# Allegro board LED_FIN.brd (continued)
## Placement (name value [footprint] x y rotation side) (continued)
D3566  0603_LED  [0603_SINGLE]  267.25 384 0 top
D3567  0603_LED  [0603_SINGLE]  269.25 384 0 top
D3568  0603_LED  [0603_SINGLE]  271.25 384 0 top
D3569  0603_LED  [0603_SINGLE]  273.25 384 0 top
D3570  0603_LED  [0603_SINGLE]  275.25 384 0 top
D3571  0603_LED  [0603_SINGLE]  217.25 382 0 top
D3572  0603_LED  [0603_SINGLE]  219.25 382 0 top
D3573  0603_LED  [0603_SINGLE]  221.25 382 0 top
D3574  0603_LED  [0603_SINGLE]  223.25 382 0 top
D3575  0603_LED  [0603_SINGLE]  225.25 382 0 top
D3576  0603_LED  [0603_SINGLE]  227.25 382 0 top
D3577  0603_LED  [0603_SINGLE]  229.25 382 0 top
D3578  0603_LED  [0603_SINGLE]  231.25 382 0 top
D3579  0603_LED  [0603_SINGLE]  233.25 382 0 top
D3580  0603_LED  [0603_SINGLE]  235.25 382 0 top
D3581  0603_LED  [0603_SINGLE]  237.25 382 0 top
D3582  0603_LED  [0603_SINGLE]  239.25 382 0 top
D3583  0603_LED  [0603_SINGLE]  241.25 382 0 top
D3584  0603_LED  [0603_SINGLE]  243.25 382 0 top
D3585  0603_LED  [0603_SINGLE]  245.25 382 0 top
D3586  0603_LED  [0603_SINGLE]  247.25 382 0 top
D3587  0603_LED  [0603_SINGLE]  249.25 382 0 top
D3588  0603_LED  [0603_SINGLE]  251.25 382 0 top
D3589  0603_LED  [0603_SINGLE]  253.25 382 0 top
D3590  0603_LED  [0603_SINGLE]  255.25 382 0 top
D3591  0603_LED  [0603_SINGLE]  257.25 382 0 top
D3592  0603_LED  [0603_SINGLE]  259.25 382 0 top
D3593  0603_LED  [0603_SINGLE]  261.25 382 0 top
D3594  0603_LED  [0603_SINGLE]  263.25 382 0 top
D3595  0603_LED  [0603_SINGLE]  265.25 382 0 top
D3596  0603_LED  [0603_SINGLE]  267.25 382 0 top
D3597  0603_LED  [0603_SINGLE]  269.25 382 0 top
D3598  0603_LED  [0603_SINGLE]  271.25 382 0 top
D3599  0603_LED  [0603_SINGLE]  273.25 382 0 top
D3600  0603_LED  [0603_SINGLE]  275.25 382 0 top
D3601  0603_LED  [0603_SINGLE]  217.25 380 0 top
D3602  0603_LED  [0603_SINGLE]  219.25 380 0 top
D3603  0603_LED  [0603_SINGLE]  221.25 380 0 top
D3604  0603_LED  [0603_SINGLE]  223.25 380 0 top
D3605  0603_LED  [0603_SINGLE]  225.25 380 0 top
D3606  0603_LED  [0603_SINGLE]  227.25 380 0 top
D3607  0603_LED  [0603_SINGLE]  229.25 380 0 top
D3608  0603_LED  [0603_SINGLE]  231.25 380 0 top
D3609  0603_LED  [0603_SINGLE]  233.25 380 0 top
D3610  0603_LED  [0603_SINGLE]  235.25 380 0 top
D3611  0603_LED  [0603_SINGLE]  237.25 380 0 top
D3612  0603_LED  [0603_SINGLE]  239.25 380 0 top
D3613  0603_LED  [0603_SINGLE]  241.25 380 0 top
D3614  0603_LED  [0603_SINGLE]  243.25 380 0 top
D3615  0603_LED  [0603_SINGLE]  245.25 380 0 top
D3616  0603_LED  [0603_SINGLE]  247.25 380 0 top
D3617  0603_LED  [0603_SINGLE]  249.25 380 0 top
D3618  0603_LED  [0603_SINGLE]  251.25 380 0 top
D3619  0603_LED  [0603_SINGLE]  253.25 380 0 top
D3620  0603_LED  [0603_SINGLE]  255.25 380 0 top
D3621  0603_LED  [0603_SINGLE]  257.25 380 0 top
D3622  0603_LED  [0603_SINGLE]  259.25 380 0 top
D3623  0603_LED  [0603_SINGLE]  261.25 380 0 top
D3624  0603_LED  [0603_SINGLE]  263.25 380 0 top
D3625  0603_LED  [0603_SINGLE]  265.25 380 0 top
D3626  0603_LED  [0603_SINGLE]  267.25 380 0 top
D3627  0603_LED  [0603_SINGLE]  269.25 380 0 top
D3628  0603_LED  [0603_SINGLE]  271.25 380 0 top
D3629  0603_LED  [0603_SINGLE]  273.25 380 0 top
D3630  0603_LED  [0603_SINGLE]  275.25 380 0 top
D3631  0603_LED  [0603_SINGLE]  217.25 378 0 top
D3632  0603_LED  [0603_SINGLE]  219.25 378 0 top
D3633  0603_LED  [0603_SINGLE]  221.25 378 0 top
D3634  0603_LED  [0603_SINGLE]  223.25 378 0 top
D3635  0603_LED  [0603_SINGLE]  225.25 378 0 top
D3636  0603_LED  [0603_SINGLE]  227.25 378 0 top
D3637  0603_LED  [0603_SINGLE]  229.25 378 0 top
D3638  0603_LED  [0603_SINGLE]  231.25 378 0 top
D3639  0603_LED  [0603_SINGLE]  233.25 378 0 top
D3640  0603_LED  [0603_SINGLE]  235.25 378 0 top
D3641  0603_LED  [0603_SINGLE]  237.25 378 0 top
D3642  0603_LED  [0603_SINGLE]  239.25 378 0 top
D3643  0603_LED  [0603_SINGLE]  241.25 378 0 top
D3644  0603_LED  [0603_SINGLE]  243.25 378 0 top
D3645  0603_LED  [0603_SINGLE]  245.25 378 0 top
D3646  0603_LED  [0603_SINGLE]  247.25 378 0 top
D3647  0603_LED  [0603_SINGLE]  249.25 378 0 top
D3648  0603_LED  [0603_SINGLE]  251.25 378 0 top
D3649  0603_LED  [0603_SINGLE]  253.25 378 0 top
D3650  0603_LED  [0603_SINGLE]  255.25 378 0 top
D3651  0603_LED  [0603_SINGLE]  257.25 378 0 top
D3652  0603_LED  [0603_SINGLE]  259.25 378 0 top
D3653  0603_LED  [0603_SINGLE]  261.25 378 0 top
D3654  0603_LED  [0603_SINGLE]  263.25 378 0 top
D3655  0603_LED  [0603_SINGLE]  265.25 378 0 top
D3656  0603_LED  [0603_SINGLE]  267.25 378 0 top
D3657  0603_LED  [0603_SINGLE]  269.25 378 0 top
D3658  0603_LED  [0603_SINGLE]  271.25 378 0 top
D3659  0603_LED  [0603_SINGLE]  273.25 378 0 top
D3660  0603_LED  [0603_SINGLE]  275.25 378 0 top
D3661  0603_LED  [0603_SINGLE]  217.25 376 0 top
D3662  0603_LED  [0603_SINGLE]  219.25 376 0 top
D3663  0603_LED  [0603_SINGLE]  221.25 376 0 top
D3664  0603_LED  [0603_SINGLE]  223.25 376 0 top
D3665  0603_LED  [0603_SINGLE]  225.25 376 0 top
D3666  0603_LED  [0603_SINGLE]  227.25 376 0 top
D3667  0603_LED  [0603_SINGLE]  229.25 376 0 top
D3668  0603_LED  [0603_SINGLE]  231.25 376 0 top
D3669  0603_LED  [0603_SINGLE]  233.25 376 0 top
D3670  0603_LED  [0603_SINGLE]  235.25 376 0 top
D3671  0603_LED  [0603_SINGLE]  237.25 376 0 top
D3672  0603_LED  [0603_SINGLE]  239.25 376 0 top
D3673  0603_LED  [0603_SINGLE]  241.25 376 0 top
D3674  0603_LED  [0603_SINGLE]  243.25 376 0 top
D3675  0603_LED  [0603_SINGLE]  245.25 376 0 top
D3676  0603_LED  [0603_SINGLE]  247.25 376 0 top
D3677  0603_LED  [0603_SINGLE]  249.25 376 0 top
D3678  0603_LED  [0603_SINGLE]  251.25 376 0 top
D3679  0603_LED  [0603_SINGLE]  253.25 376 0 top
D3680  0603_LED  [0603_SINGLE]  255.25 376 0 top
D3681  0603_LED  [0603_SINGLE]  257.25 376 0 top
D3682  0603_LED  [0603_SINGLE]  259.25 376 0 top
D3683  0603_LED  [0603_SINGLE]  261.25 376 0 top
D3684  0603_LED  [0603_SINGLE]  263.25 376 0 top
D3685  0603_LED  [0603_SINGLE]  265.25 376 0 top
D3686  0603_LED  [0603_SINGLE]  267.25 376 0 top
D3687  0603_LED  [0603_SINGLE]  269.25 376 0 top
D3688  0603_LED  [0603_SINGLE]  271.25 376 0 top
D3689  0603_LED  [0603_SINGLE]  273.25 376 0 top
D3690  0603_LED  [0603_SINGLE]  275.25 376 0 top
D3691  0603_LED  [0603_SINGLE]  217.25 374 0 top
D3692  0603_LED  [0603_SINGLE]  219.25 374 0 top
D3693  0603_LED  [0603_SINGLE]  221.25 374 0 top
D3694  0603_LED  [0603_SINGLE]  223.25 374 0 top
D3695  0603_LED  [0603_SINGLE]  225.25 374 0 top
D3696  0603_LED  [0603_SINGLE]  227.25 374 0 top
D3697  0603_LED  [0603_SINGLE]  229.25 374 0 top
D3698  0603_LED  [0603_SINGLE]  231.25 374 0 top
D3699  0603_LED  [0603_SINGLE]  233.25 374 0 top
D3700  0603_LED  [0603_SINGLE]  235.25 374 0 top
D3701  0603_LED  [0603_SINGLE]  237.25 374 0 top
D3702  0603_LED  [0603_SINGLE]  239.25 374 0 top
D3703  0603_LED  [0603_SINGLE]  241.25 374 0 top
D3704  0603_LED  [0603_SINGLE]  243.25 374 0 top
D3705  0603_LED  [0603_SINGLE]  245.25 374 0 top
D3706  0603_LED  [0603_SINGLE]  247.25 374 0 top
D3707  0603_LED  [0603_SINGLE]  249.25 374 0 top
D3708  0603_LED  [0603_SINGLE]  251.25 374 0 top
D3709  0603_LED  [0603_SINGLE]  253.25 374 0 top
D3710  0603_LED  [0603_SINGLE]  255.25 374 0 top
D3711  0603_LED  [0603_SINGLE]  257.25 374 0 top
D3712  0603_LED  [0603_SINGLE]  259.25 374 0 top
D3713  0603_LED  [0603_SINGLE]  261.25 374 0 top
D3714  0603_LED  [0603_SINGLE]  263.25 374 0 top
D3715  0603_LED  [0603_SINGLE]  265.25 374 0 top
D3716  0603_LED  [0603_SINGLE]  267.25 374 0 top
D3717  0603_LED  [0603_SINGLE]  269.25 374 0 top
D3718  0603_LED  [0603_SINGLE]  271.25 374 0 top
D3719  0603_LED  [0603_SINGLE]  273.25 374 0 top
D3720  0603_LED  [0603_SINGLE]  275.25 374 0 top
D3721  0603_LED  [0603_SINGLE]  217.25 372 0 top
D3722  0603_LED  [0603_SINGLE]  219.25 372 0 top
D3723  0603_LED  [0603_SINGLE]  221.25 372 0 top
D3724  0603_LED  [0603_SINGLE]  223.25 372 0 top
D3725  0603_LED  [0603_SINGLE]  225.25 372 0 top
D3726  0603_LED  [0603_SINGLE]  227.25 372 0 top
D3727  0603_LED  [0603_SINGLE]  229.25 372 0 top
D3728  0603_LED  [0603_SINGLE]  231.25 372 0 top
D3729  0603_LED  [0603_SINGLE]  233.25 372 0 top
D3730  0603_LED  [0603_SINGLE]  235.25 372 0 top
D3731  0603_LED  [0603_SINGLE]  237.25 372 0 top
D3732  0603_LED  [0603_SINGLE]  239.25 372 0 top
D3733  0603_LED  [0603_SINGLE]  241.25 372 0 top
D3734  0603_LED  [0603_SINGLE]  243.25 372 0 top
D3735  0603_LED  [0603_SINGLE]  245.25 372 0 top
D3736  0603_LED  [0603_SINGLE]  247.25 372 0 top
D3737  0603_LED  [0603_SINGLE]  249.25 372 0 top
D3738  0603_LED  [0603_SINGLE]  251.25 372 0 top
D3739  0603_LED  [0603_SINGLE]  253.25 372 0 top
D3740  0603_LED  [0603_SINGLE]  255.25 372 0 top
D3741  0603_LED  [0603_SINGLE]  257.25 372 0 top
D3742  0603_LED  [0603_SINGLE]  259.25 372 0 top
D3743  0603_LED  [0603_SINGLE]  261.25 372 0 top
D3744  0603_LED  [0603_SINGLE]  263.25 372 0 top
D3745  0603_LED  [0603_SINGLE]  265.25 372 0 top
D3746  0603_LED  [0603_SINGLE]  267.25 372 0 top
D3747  0603_LED  [0603_SINGLE]  269.25 372 0 top
D3748  0603_LED  [0603_SINGLE]  271.25 372 0 top
D3749  0603_LED  [0603_SINGLE]  273.25 372 0 top
D3750  0603_LED  [0603_SINGLE]  275.25 372 0 top
D3751  0603_LED  [0603_SINGLE]  217.25 370 0 top
D3752  0603_LED  [0603_SINGLE]  219.25 370 0 top
D3753  0603_LED  [0603_SINGLE]  221.25 370 0 top
D3754  0603_LED  [0603_SINGLE]  223.25 370 0 top
D3755  0603_LED  [0603_SINGLE]  225.25 370 0 top
D3756  0603_LED  [0603_SINGLE]  227.25 370 0 top
D3757  0603_LED  [0603_SINGLE]  229.25 370 0 top
D3758  0603_LED  [0603_SINGLE]  231.25 370 0 top
D3759  0603_LED  [0603_SINGLE]  233.25 370 0 top
D3760  0603_LED  [0603_SINGLE]  235.25 370 0 top
D3761  0603_LED  [0603_SINGLE]  237.25 370 0 top
D3762  0603_LED  [0603_SINGLE]  239.25 370 0 top
D3763  0603_LED  [0603_SINGLE]  241.25 370 0 top
D3764  0603_LED  [0603_SINGLE]  243.25 370 0 top
D3765  0603_LED  [0603_SINGLE]  245.25 370 0 top
D3766  0603_LED  [0603_SINGLE]  247.25 370 0 top
D3767  0603_LED  [0603_SINGLE]  249.25 370 0 top
D3768  0603_LED  [0603_SINGLE]  251.25 370 0 top
D3769  0603_LED  [0603_SINGLE]  253.25 370 0 top
D3770  0603_LED  [0603_SINGLE]  255.25 370 0 top
D3771  0603_LED  [0603_SINGLE]  257.25 370 0 top
D3772  0603_LED  [0603_SINGLE]  259.25 370 0 top
D3773  0603_LED  [0603_SINGLE]  261.25 370 0 top
D3774  0603_LED  [0603_SINGLE]  263.25 370 0 top
D3775  0603_LED  [0603_SINGLE]  265.25 370 0 top
D3776  0603_LED  [0603_SINGLE]  267.25 370 0 top
D3777  0603_LED  [0603_SINGLE]  269.25 370 0 top
D3778  0603_LED  [0603_SINGLE]  271.25 370 0 top
D3779  0603_LED  [0603_SINGLE]  273.25 370 0 top
D3780  0603_LED  [0603_SINGLE]  275.25 370 0 top
D3781  0603_LED  [0603_SINGLE]  217.25 368 0 top
D3782  0603_LED  [0603_SINGLE]  219.25 368 0 top
D3783  0603_LED  [0603_SINGLE]  221.25 368 0 top
D3784  0603_LED  [0603_SINGLE]  223.25 368 0 top
D3785  0603_LED  [0603_SINGLE]  225.25 368 0 top
D3786  0603_LED  [0603_SINGLE]  227.25 368 0 top
D3787  0603_LED  [0603_SINGLE]  229.25 368 0 top
D3788  0603_LED  [0603_SINGLE]  231.25 368 0 top
D3789  0603_LED  [0603_SINGLE]  233.25 368 0 top
D3790  0603_LED  [0603_SINGLE]  235.25 368 0 top
D3791  0603_LED  [0603_SINGLE]  237.25 368 0 top
D3792  0603_LED  [0603_SINGLE]  239.25 368 0 top
D3793  0603_LED  [0603_SINGLE]  241.25 368 0 top
D3794  0603_LED  [0603_SINGLE]  243.25 368 0 top
D3795  0603_LED  [0603_SINGLE]  245.25 368 0 top
D3796  0603_LED  [0603_SINGLE]  247.25 368 0 top
D3797  0603_LED  [0603_SINGLE]  249.25 368 0 top
D3798  0603_LED  [0603_SINGLE]  251.25 368 0 top
D3799  0603_LED  [0603_SINGLE]  253.25 368 0 top
D3800  0603_LED  [0603_SINGLE]  255.25 368 0 top
D3801  0603_LED  [0603_SINGLE]  257.25 368 0 top
D3802  0603_LED  [0603_SINGLE]  259.25 368 0 top
D3803  0603_LED  [0603_SINGLE]  261.25 368 0 top
D3804  0603_LED  [0603_SINGLE]  263.25 368 0 top
D3805  0603_LED  [0603_SINGLE]  265.25 368 0 top
D3806  0603_LED  [0603_SINGLE]  267.25 368 0 top
D3807  0603_LED  [0603_SINGLE]  269.25 368 0 top
D3808  0603_LED  [0603_SINGLE]  271.25 368 0 top
D3809  0603_LED  [0603_SINGLE]  273.25 368 0 top
D3810  0603_LED  [0603_SINGLE]  275.25 368 0 top
D3811  0603_LED  [0603_SINGLE]  217.25 366 0 top
D3812  0603_LED  [0603_SINGLE]  219.25 366 0 top
D3813  0603_LED  [0603_SINGLE]  221.25 366 0 top
D3814  0603_LED  [0603_SINGLE]  223.25 366 0 top
D3815  0603_LED  [0603_SINGLE]  225.25 366 0 top
D3816  0603_LED  [0603_SINGLE]  227.25 366 0 top
D3817  0603_LED  [0603_SINGLE]  229.25 366 0 top
D3818  0603_LED  [0603_SINGLE]  231.25 366 0 top
D3819  0603_LED  [0603_SINGLE]  233.25 366 0 top
D3820  0603_LED  [0603_SINGLE]  235.25 366 0 top
D3821  0603_LED  [0603_SINGLE]  237.25 366 0 top
D3822  0603_LED  [0603_SINGLE]  239.25 366 0 top
D3823  0603_LED  [0603_SINGLE]  241.25 366 0 top
D3824  0603_LED  [0603_SINGLE]  243.25 366 0 top
D3825  0603_LED  [0603_SINGLE]  245.25 366 0 top
D3826  0603_LED  [0603_SINGLE]  247.25 366 0 top
D3827  0603_LED  [0603_SINGLE]  249.25 366 0 top
D3828  0603_LED  [0603_SINGLE]  251.25 366 0 top
D3829  0603_LED  [0603_SINGLE]  253.25 366 0 top
D3830  0603_LED  [0603_SINGLE]  255.25 366 0 top
D3831  0603_LED  [0603_SINGLE]  257.25 366 0 top
D3832  0603_LED  [0603_SINGLE]  259.25 366 0 top
D3833  0603_LED  [0603_SINGLE]  261.25 366 0 top
D3834  0603_LED  [0603_SINGLE]  263.25 366 0 top
D3835  0603_LED  [0603_SINGLE]  265.25 366 0 top
D3836  0603_LED  [0603_SINGLE]  267.25 366 0 top
D3837  0603_LED  [0603_SINGLE]  269.25 366 0 top
D3838  0603_LED  [0603_SINGLE]  271.25 366 0 top
D3839  0603_LED  [0603_SINGLE]  273.25 366 0 top
D3840  0603_LED  [0603_SINGLE]  275.25 366 0 top
D3841  0603_LED  [0603_SINGLE]  217.25 364 0 top
D3842  0603_LED  [0603_SINGLE]  219.25 364 0 top
D3843  0603_LED  [0603_SINGLE]  221.25 364 0 top
D3844  0603_LED  [0603_SINGLE]  223.25 364 0 top
D3845  0603_LED  [0603_SINGLE]  225.25 364 0 top
D3846  0603_LED  [0603_SINGLE]  227.25 364 0 top
D3847  0603_LED  [0603_SINGLE]  229.25 364 0 top
D3848  0603_LED  [0603_SINGLE]  231.25 364 0 top
D3849  0603_LED  [0603_SINGLE]  233.25 364 0 top
D3850  0603_LED  [0603_SINGLE]  235.25 364 0 top
D3851  0603_LED  [0603_SINGLE]  237.25 364 0 top
D3852  0603_LED  [0603_SINGLE]  239.25 364 0 top
D3853  0603_LED  [0603_SINGLE]  241.25 364 0 top
D3854  0603_LED  [0603_SINGLE]  243.25 364 0 top
D3855  0603_LED  [0603_SINGLE]  245.25 364 0 top
D3856  0603_LED  [0603_SINGLE]  247.25 364 0 top
D3857  0603_LED  [0603_SINGLE]  249.25 364 0 top
D3858  0603_LED  [0603_SINGLE]  251.25 364 0 top
D3859  0603_LED  [0603_SINGLE]  253.25 364 0 top
D3860  0603_LED  [0603_SINGLE]  255.25 364 0 top
D3861  0603_LED  [0603_SINGLE]  257.25 364 0 top
D3862  0603_LED  [0603_SINGLE]  259.25 364 0 top
D3863  0603_LED  [0603_SINGLE]  261.25 364 0 top
D3864  0603_LED  [0603_SINGLE]  263.25 364 0 top
D3865  0603_LED  [0603_SINGLE]  265.25 364 0 top
D3866  0603_LED  [0603_SINGLE]  267.25 364 0 top
D3867  0603_LED  [0603_SINGLE]  269.25 364 0 top
D3868  0603_LED  [0603_SINGLE]  271.25 364 0 top
D3869  0603_LED  [0603_SINGLE]  273.25 364 0 top
D3870  0603_LED  [0603_SINGLE]  275.25 364 0 top
D3871  0603_LED  [0603_SINGLE]  217.25 362 0 top
D3872  0603_LED  [0603_SINGLE]  219.25 362 0 top
D3873  0603_LED  [0603_SINGLE]  221.25 362 0 top
D3874  0603_LED  [0603_SINGLE]  223.25 362 0 top
D3875  0603_LED  [0603_SINGLE]  225.25 362 0 top
D3876  0603_LED  [0603_SINGLE]  227.25 362 0 top
D3877  0603_LED  [0603_SINGLE]  229.25 362 0 top
D3878  0603_LED  [0603_SINGLE]  231.25 362 0 top
D3879  0603_LED  [0603_SINGLE]  233.25 362 0 top
D3880  0603_LED  [0603_SINGLE]  235.25 362 0 top
D3881  0603_LED  [0603_SINGLE]  237.25 362 0 top
D3882  0603_LED  [0603_SINGLE]  239.25 362 0 top
D3883  0603_LED  [0603_SINGLE]  241.25 362 0 top
D3884  0603_LED  [0603_SINGLE]  243.25 362 0 top
D3885  0603_LED  [0603_SINGLE]  245.25 362 0 top
D3886  0603_LED  [0603_SINGLE]  247.25 362 0 top
D3887  0603_LED  [0603_SINGLE]  249.25 362 0 top
D3888  0603_LED  [0603_SINGLE]  251.25 362 0 top
D3889  0603_LED  [0603_SINGLE]  253.25 362 0 top
D3890  0603_LED  [0603_SINGLE]  255.25 362 0 top
D3891  0603_LED  [0603_SINGLE]  257.25 362 0 top
D3892  0603_LED  [0603_SINGLE]  259.25 362 0 top
D3893  0603_LED  [0603_SINGLE]  261.25 362 0 top
D3894  0603_LED  [0603_SINGLE]  263.25 362 0 top
D3895  0603_LED  [0603_SINGLE]  265.25 362 0 top
D3896  0603_LED  [0603_SINGLE]  267.25 362 0 top
D3897  0603_LED  [0603_SINGLE]  269.25 362 0 top
D3898  0603_LED  [0603_SINGLE]  271.25 362 0 top
D3899  0603_LED  [0603_SINGLE]  273.25 362 0 top
D3900  0603_LED  [0603_SINGLE]  275.25 362 0 top
D3901  0603_LED  [0603_SINGLE]  217.25 360 0 top
D3902  0603_LED  [0603_SINGLE]  219.25 360 0 top
D3903  0603_LED  [0603_SINGLE]  221.25 360 0 top
D3904  0603_LED  [0603_SINGLE]  223.25 360 0 top
D3905  0603_LED  [0603_SINGLE]  225.25 360 0 top
D3906  0603_LED  [0603_SINGLE]  227.25 360 0 top
D3907  0603_LED  [0603_SINGLE]  229.25 360 0 top
D3908  0603_LED  [0603_SINGLE]  231.25 360 0 top
D3909  0603_LED  [0603_SINGLE]  233.25 360 0 top
D3910  0603_LED  [0603_SINGLE]  235.25 360 0 top
D3911  0603_LED  [0603_SINGLE]  237.25 360 0 top
D3912  0603_LED  [0603_SINGLE]  239.25 360 0 top
D3913  0603_LED  [0603_SINGLE]  241.25 360 0 top
D3914  0603_LED  [0603_SINGLE]  243.25 360 0 top
D3915  0603_LED  [0603_SINGLE]  245.25 360 0 top
D3916  0603_LED  [0603_SINGLE]  247.25 360 0 top
D3917  0603_LED  [0603_SINGLE]  249.25 360 0 top
D3918  0603_LED  [0603_SINGLE]  251.25 360 0 top
D3919  0603_LED  [0603_SINGLE]  253.25 360 0 top
D3920  0603_LED  [0603_SINGLE]  255.25 360 0 top
D3921  0603_LED  [0603_SINGLE]  257.25 360 0 top
D3922  0603_LED  [0603_SINGLE]  259.25 360 0 top
D3923  0603_LED  [0603_SINGLE]  261.25 360 0 top
D3924  0603_LED  [0603_SINGLE]  263.25 360 0 top
D3925  0603_LED  [0603_SINGLE]  265.25 360 0 top
D3926  0603_LED  [0603_SINGLE]  267.25 360 0 top
D3927  0603_LED  [0603_SINGLE]  269.25 360 0 top
D3928  0603_LED  [0603_SINGLE]  271.25 360 0 top
D3929  0603_LED  [0603_SINGLE]  273.25 360 0 top
D3930  0603_LED  [0603_SINGLE]  275.25 360 0 top
D3931  0603_LED  [0603_SINGLE]  217.25 358 0 top
D3932  0603_LED  [0603_SINGLE]  219.25 358 0 top
D3933  0603_LED  [0603_SINGLE]  221.25 358 0 top
D3934  0603_LED  [0603_SINGLE]  223.25 358 0 top
D3935  0603_LED  [0603_SINGLE]  225.25 358 0 top
D3936  0603_LED  [0603_SINGLE]  227.25 358 0 top
D3937  0603_LED  [0603_SINGLE]  229.25 358 0 top
D3938  0603_LED  [0603_SINGLE]  231.25 358 0 top
D3939  0603_LED  [0603_SINGLE]  233.25 358 0 top
D3940  0603_LED  [0603_SINGLE]  235.25 358 0 top
D3941  0603_LED  [0603_SINGLE]  237.25 358 0 top
D3942  0603_LED  [0603_SINGLE]  239.25 358 0 top
D3943  0603_LED  [0603_SINGLE]  241.25 358 0 top
D3944  0603_LED  [0603_SINGLE]  243.25 358 0 top
D3945  0603_LED  [0603_SINGLE]  245.25 358 0 top
D3946  0603_LED  [0603_SINGLE]  247.25 358 0 top
D3947  0603_LED  [0603_SINGLE]  249.25 358 0 top
D3948  0603_LED  [0603_SINGLE]  251.25 358 0 top
D3949  0603_LED  [0603_SINGLE]  253.25 358 0 top
D3950  0603_LED  [0603_SINGLE]  255.25 358 0 top
D3951  0603_LED  [0603_SINGLE]  257.25 358 0 top
D3952  0603_LED  [0603_SINGLE]  259.25 358 0 top
D3953  0603_LED  [0603_SINGLE]  261.25 358 0 top
D3954  0603_LED  [0603_SINGLE]  263.25 358 0 top
D3955  0603_LED  [0603_SINGLE]  265.25 358 0 top
D3956  0603_LED  [0603_SINGLE]  267.25 358 0 top
D3957  0603_LED  [0603_SINGLE]  269.25 358 0 top
D3958  0603_LED  [0603_SINGLE]  271.25 358 0 top
D3959  0603_LED  [0603_SINGLE]  273.25 358 0 top
D3960  0603_LED  [0603_SINGLE]  275.25 358 0 top
D3961  0603_LED  [0603_SINGLE]  217.25 356 0 top
D3962  0603_LED  [0603_SINGLE]  219.25 356 0 top
D3963  0603_LED  [0603_SINGLE]  221.25 356 0 top
D3964  0603_LED  [0603_SINGLE]  223.25 356 0 top
D3965  0603_LED  [0603_SINGLE]  225.25 356 0 top
D3966  0603_LED  [0603_SINGLE]  227.25 356 0 top
D3967  0603_LED  [0603_SINGLE]  229.25 356 0 top
D3968  0603_LED  [0603_SINGLE]  231.25 356 0 top
D3969  0603_LED  [0603_SINGLE]  233.25 356 0 top
D3970  0603_LED  [0603_SINGLE]  235.25 356 0 top
D3971  0603_LED  [0603_SINGLE]  237.25 356 0 top
D3972  0603_LED  [0603_SINGLE]  239.25 356 0 top
D3973  0603_LED  [0603_SINGLE]  241.25 356 0 top
D3974  0603_LED  [0603_SINGLE]  243.25 356 0 top
D3975  0603_LED  [0603_SINGLE]  245.25 356 0 top
D3976  0603_LED  [0603_SINGLE]  247.25 356 0 top
D3977  0603_LED  [0603_SINGLE]  249.25 356 0 top
D3978  0603_LED  [0603_SINGLE]  251.25 356 0 top
D3979  0603_LED  [0603_SINGLE]  253.25 356 0 top
D3980  0603_LED  [0603_SINGLE]  255.25 356 0 top
D3981  0603_LED  [0603_SINGLE]  257.25 356 0 top
D3982  0603_LED  [0603_SINGLE]  259.25 356 0 top
D3983  0603_LED  [0603_SINGLE]  261.25 356 0 top
D3984  0603_LED  [0603_SINGLE]  263.25 356 0 top
D3985  0603_LED  [0603_SINGLE]  265.25 356 0 top
D3986  0603_LED  [0603_SINGLE]  267.25 356 0 top
D3987  0603_LED  [0603_SINGLE]  269.25 356 0 top
D3988  0603_LED  [0603_SINGLE]  271.25 356 0 top
D3989  0603_LED  [0603_SINGLE]  273.25 356 0 top
D3990  0603_LED  [0603_SINGLE]  275.25 356 0 top
D3991  0603_LED  [0603_SINGLE]  217.25 354 0 top
D3992  0603_LED  [0603_SINGLE]  219.25 354 0 top
D3993  0603_LED  [0603_SINGLE]  221.25 354 0 top
D3994  0603_LED  [0603_SINGLE]  223.25 354 0 top
D3995  0603_LED  [0603_SINGLE]  225.25 354 0 top
D3996  0603_LED  [0603_SINGLE]  227.25 354 0 top
D3997  0603_LED  [0603_SINGLE]  229.25 354 0 top
D3998  0603_LED  [0603_SINGLE]  231.25 354 0 top
D3999  0603_LED  [0603_SINGLE]  233.25 354 0 top
D4000  0603_LED  [0603_SINGLE]  235.25 354 0 top
D4001  0603_LED  [0603_SINGLE]  237.25 354 0 top
D4002  0603_LED  [0603_SINGLE]  239.25 354 0 top
D4003  0603_LED  [0603_SINGLE]  241.25 354 0 top
D4004  0603_LED  [0603_SINGLE]  243.25 354 0 top
D4005  0603_LED  [0603_SINGLE]  245.25 354 0 top
D4006  0603_LED  [0603_SINGLE]  247.25 354 0 top
D4007  0603_LED  [0603_SINGLE]  249.25 354 0 top
D4008  0603_LED  [0603_SINGLE]  251.25 354 0 top
D4009  0603_LED  [0603_SINGLE]  253.25 354 0 top
D4010  0603_LED  [0603_SINGLE]  255.25 354 0 top
D4011  0603_LED  [0603_SINGLE]  257.25 354 0 top
D4012  0603_LED  [0603_SINGLE]  259.25 354 0 top
D4013  0603_LED  [0603_SINGLE]  261.25 354 0 top
D4014  0603_LED  [0603_SINGLE]  263.25 354 0 top
D4015  0603_LED  [0603_SINGLE]  265.25 354 0 top
D4016  0603_LED  [0603_SINGLE]  267.25 354 0 top
D4017  0603_LED  [0603_SINGLE]  269.25 354 0 top
D4018  0603_LED  [0603_SINGLE]  271.25 354 0 top
D4019  0603_LED  [0603_SINGLE]  273.25 354 0 top
D4020  0603_LED  [0603_SINGLE]  275.25 354 0 top
D4021  0603_LED  [0603_SINGLE]  217.25 352 0 top
D4022  0603_LED  [0603_SINGLE]  219.25 352 0 top
D4023  0603_LED  [0603_SINGLE]  221.25 352 0 top
D4024  0603_LED  [0603_SINGLE]  223.25 352 0 top
D4025  0603_LED  [0603_SINGLE]  225.25 352 0 top
D4026  0603_LED  [0603_SINGLE]  227.25 352 0 top
D4027  0603_LED  [0603_SINGLE]  229.25 352 0 top
D4028  0603_LED  [0603_SINGLE]  231.25 352 0 top
D4029  0603_LED  [0603_SINGLE]  233.25 352 0 top
D4030  0603_LED  [0603_SINGLE]  235.25 352 0 top
D4031  0603_LED  [0603_SINGLE]  237.25 352 0 top
D4032  0603_LED  [0603_SINGLE]  239.25 352 0 top
D4033  0603_LED  [0603_SINGLE]  241.25 352 0 top
D4034  0603_LED  [0603_SINGLE]  243.25 352 0 top
D4035  0603_LED  [0603_SINGLE]  245.25 352 0 top
D4036  0603_LED  [0603_SINGLE]  247.25 352 0 top
D4037  0603_LED  [0603_SINGLE]  249.25 352 0 top
D4038  0603_LED  [0603_SINGLE]  251.25 352 0 top
D4039  0603_LED  [0603_SINGLE]  253.25 352 0 top
D4040  0603_LED  [0603_SINGLE]  255.25 352 0 top
D4041  0603_LED  [0603_SINGLE]  257.25 352 0 top
D4042  0603_LED  [0603_SINGLE]  259.25 352 0 top
D4043  0603_LED  [0603_SINGLE]  261.25 352 0 top
D4044  0603_LED  [0603_SINGLE]  263.25 352 0 top
D4045  0603_LED  [0603_SINGLE]  265.25 352 0 top
D4046  0603_LED  [0603_SINGLE]  267.25 352 0 top
D4047  0603_LED  [0603_SINGLE]  269.25 352 0 top
D4048  0603_LED  [0603_SINGLE]  271.25 352 0 top
D4049  0603_LED  [0603_SINGLE]  273.25 352 0 top
D4050  0603_LED  [0603_SINGLE]  275.25 352 0 top
D4051  0603_LED  [0603_SINGLE]  217.25 350 0 top
D4052  0603_LED  [0603_SINGLE]  219.25 350 0 top
D4053  0603_LED  [0603_SINGLE]  221.25 350 0 top
D4054  0603_LED  [0603_SINGLE]  223.25 350 0 top
D4055  0603_LED  [0603_SINGLE]  225.25 350 0 top
D4056  0603_LED  [0603_SINGLE]  227.25 350 0 top
D4057  0603_LED  [0603_SINGLE]  229.25 350 0 top
D4058  0603_LED  [0603_SINGLE]  231.25 350 0 top
D4059  0603_LED  [0603_SINGLE]  233.25 350 0 top
D4060  0603_LED  [0603_SINGLE]  235.25 350 0 top
D4061  0603_LED  [0603_SINGLE]  237.25 350 0 top
D4062  0603_LED  [0603_SINGLE]  239.25 350 0 top
D4063  0603_LED  [0603_SINGLE]  241.25 350 0 top
D4064  0603_LED  [0603_SINGLE]  243.25 350 0 top
D4065  0603_LED  [0603_SINGLE]  245.25 350 0 top
D4066  0603_LED  [0603_SINGLE]  247.25 350 0 top
D4067  0603_LED  [0603_SINGLE]  249.25 350 0 top
D4068  0603_LED  [0603_SINGLE]  251.25 350 0 top
D4069  0603_LED  [0603_SINGLE]  253.25 350 0 top
D4070  0603_LED  [0603_SINGLE]  255.25 350 0 top
D4071  0603_LED  [0603_SINGLE]  257.25 350 0 top
D4072  0603_LED  [0603_SINGLE]  259.25 350 0 top
D4073  0603_LED  [0603_SINGLE]  261.25 350 0 top
D4074  0603_LED  [0603_SINGLE]  263.25 350 0 top
D4075  0603_LED  [0603_SINGLE]  265.25 350 0 top
